# Altium PCB ALCT_MEZ_LX100.PcbDoc (part 1 of 10)
Units mil, origin at the board's own origin, x right, y up, seen from the top; angles counter-clockwise.
Board outline 4100 x 5874.84 mil, 12 copper layers (Top Layer, GND, Mid-Layer 2, +3V3, Mid-Layer 4, +1V2, Mid-Layer 6, +1V8, Mid-Layer 8, +2V5, Mid-Layer 10, Bottom Layer), stack 64.7 mil thick; 544 components, 646 nets, 3089 pads, 1750 vias.
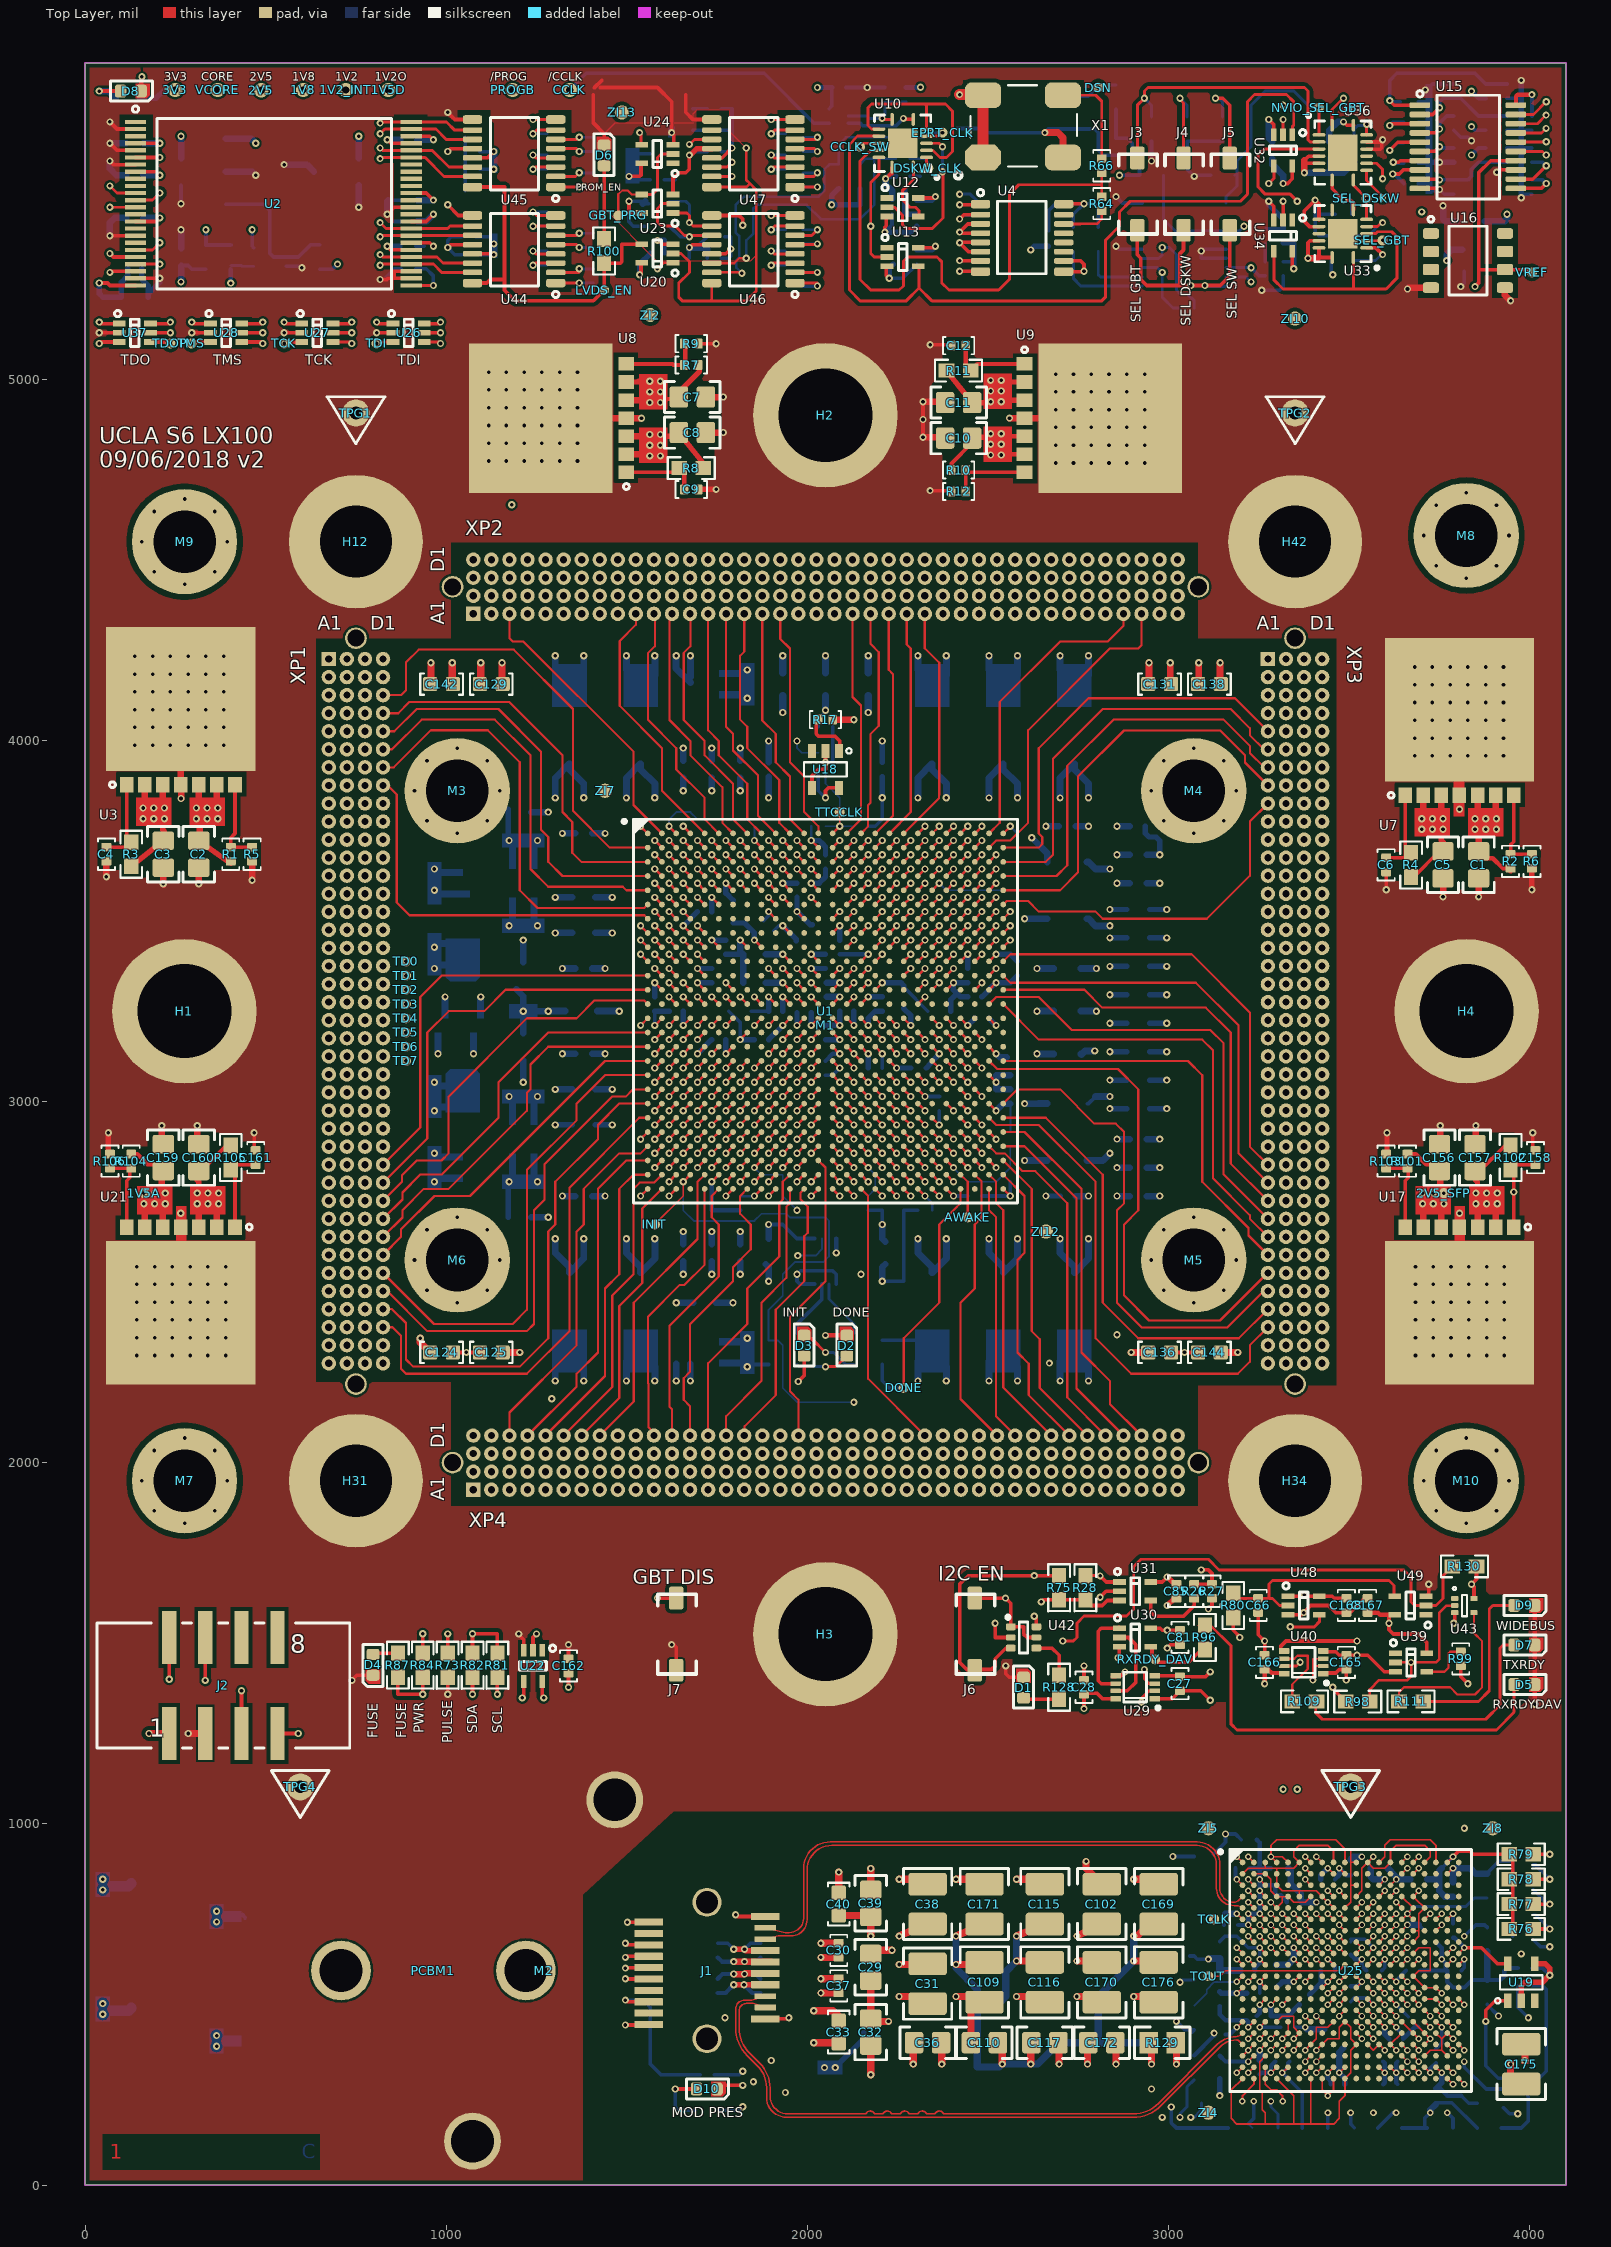
[diagram p0: Top Layer view]
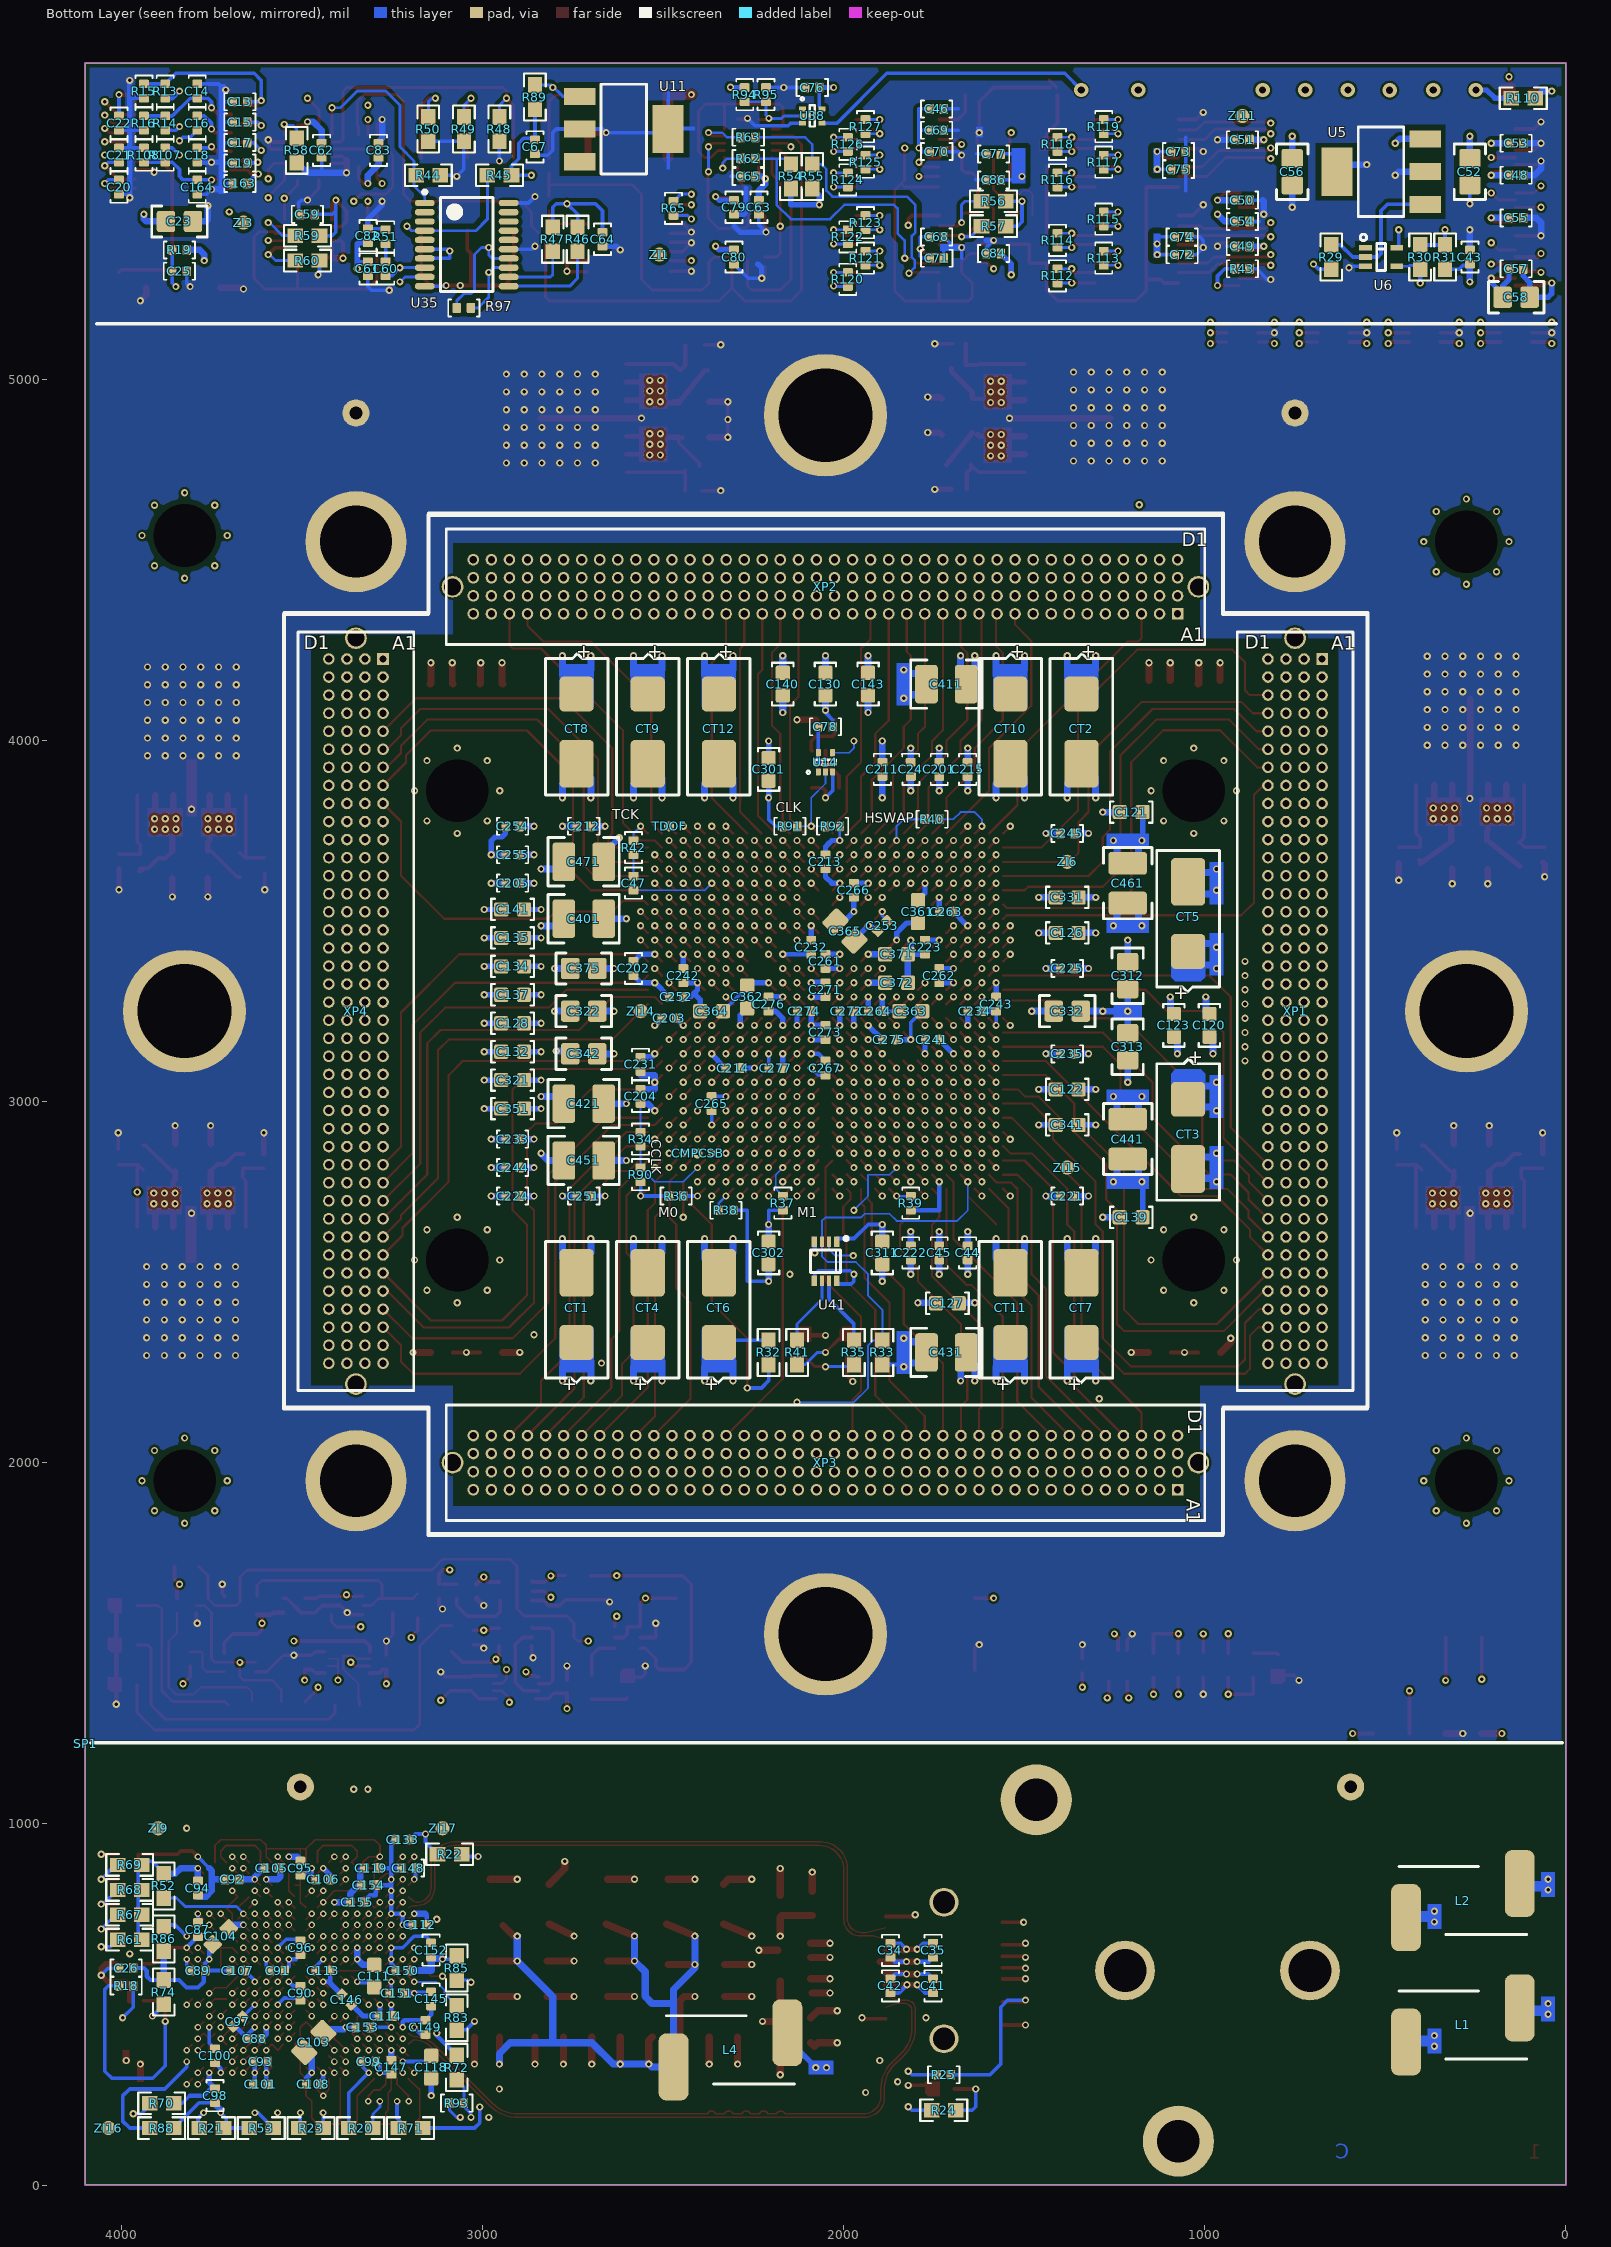
[diagram p1: Bottom Layer view, seen from below]
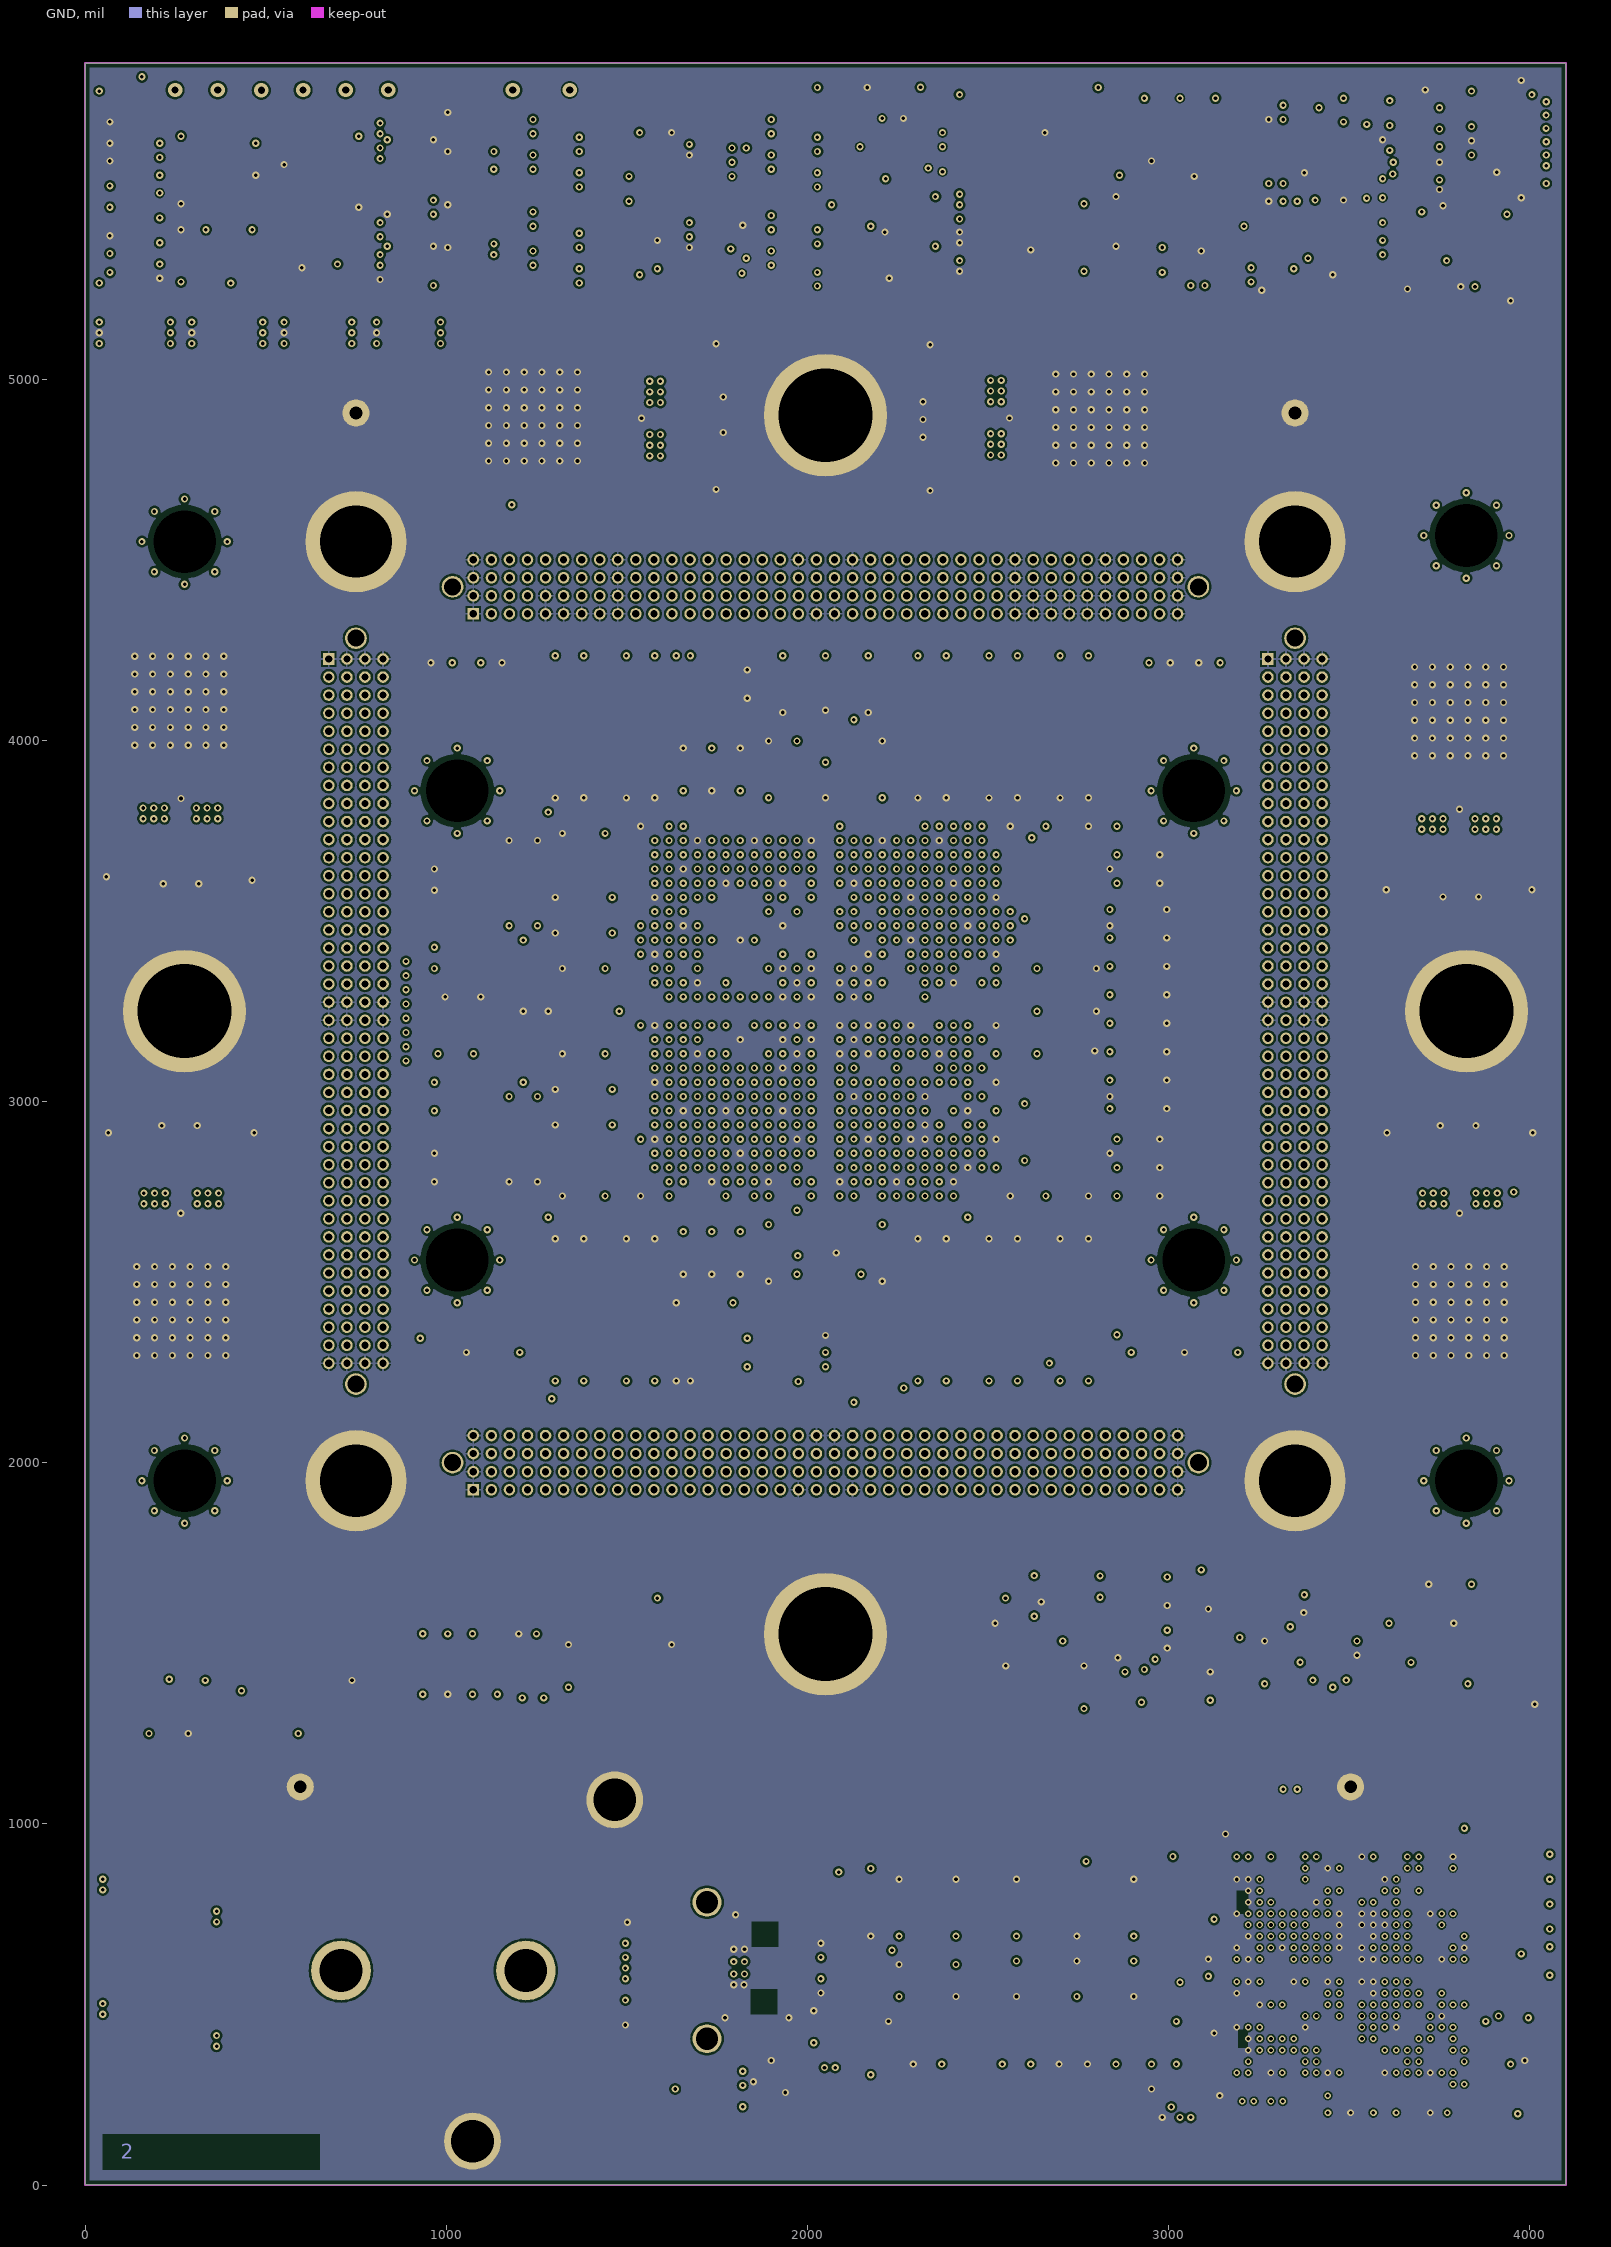
[diagram p2: GND]
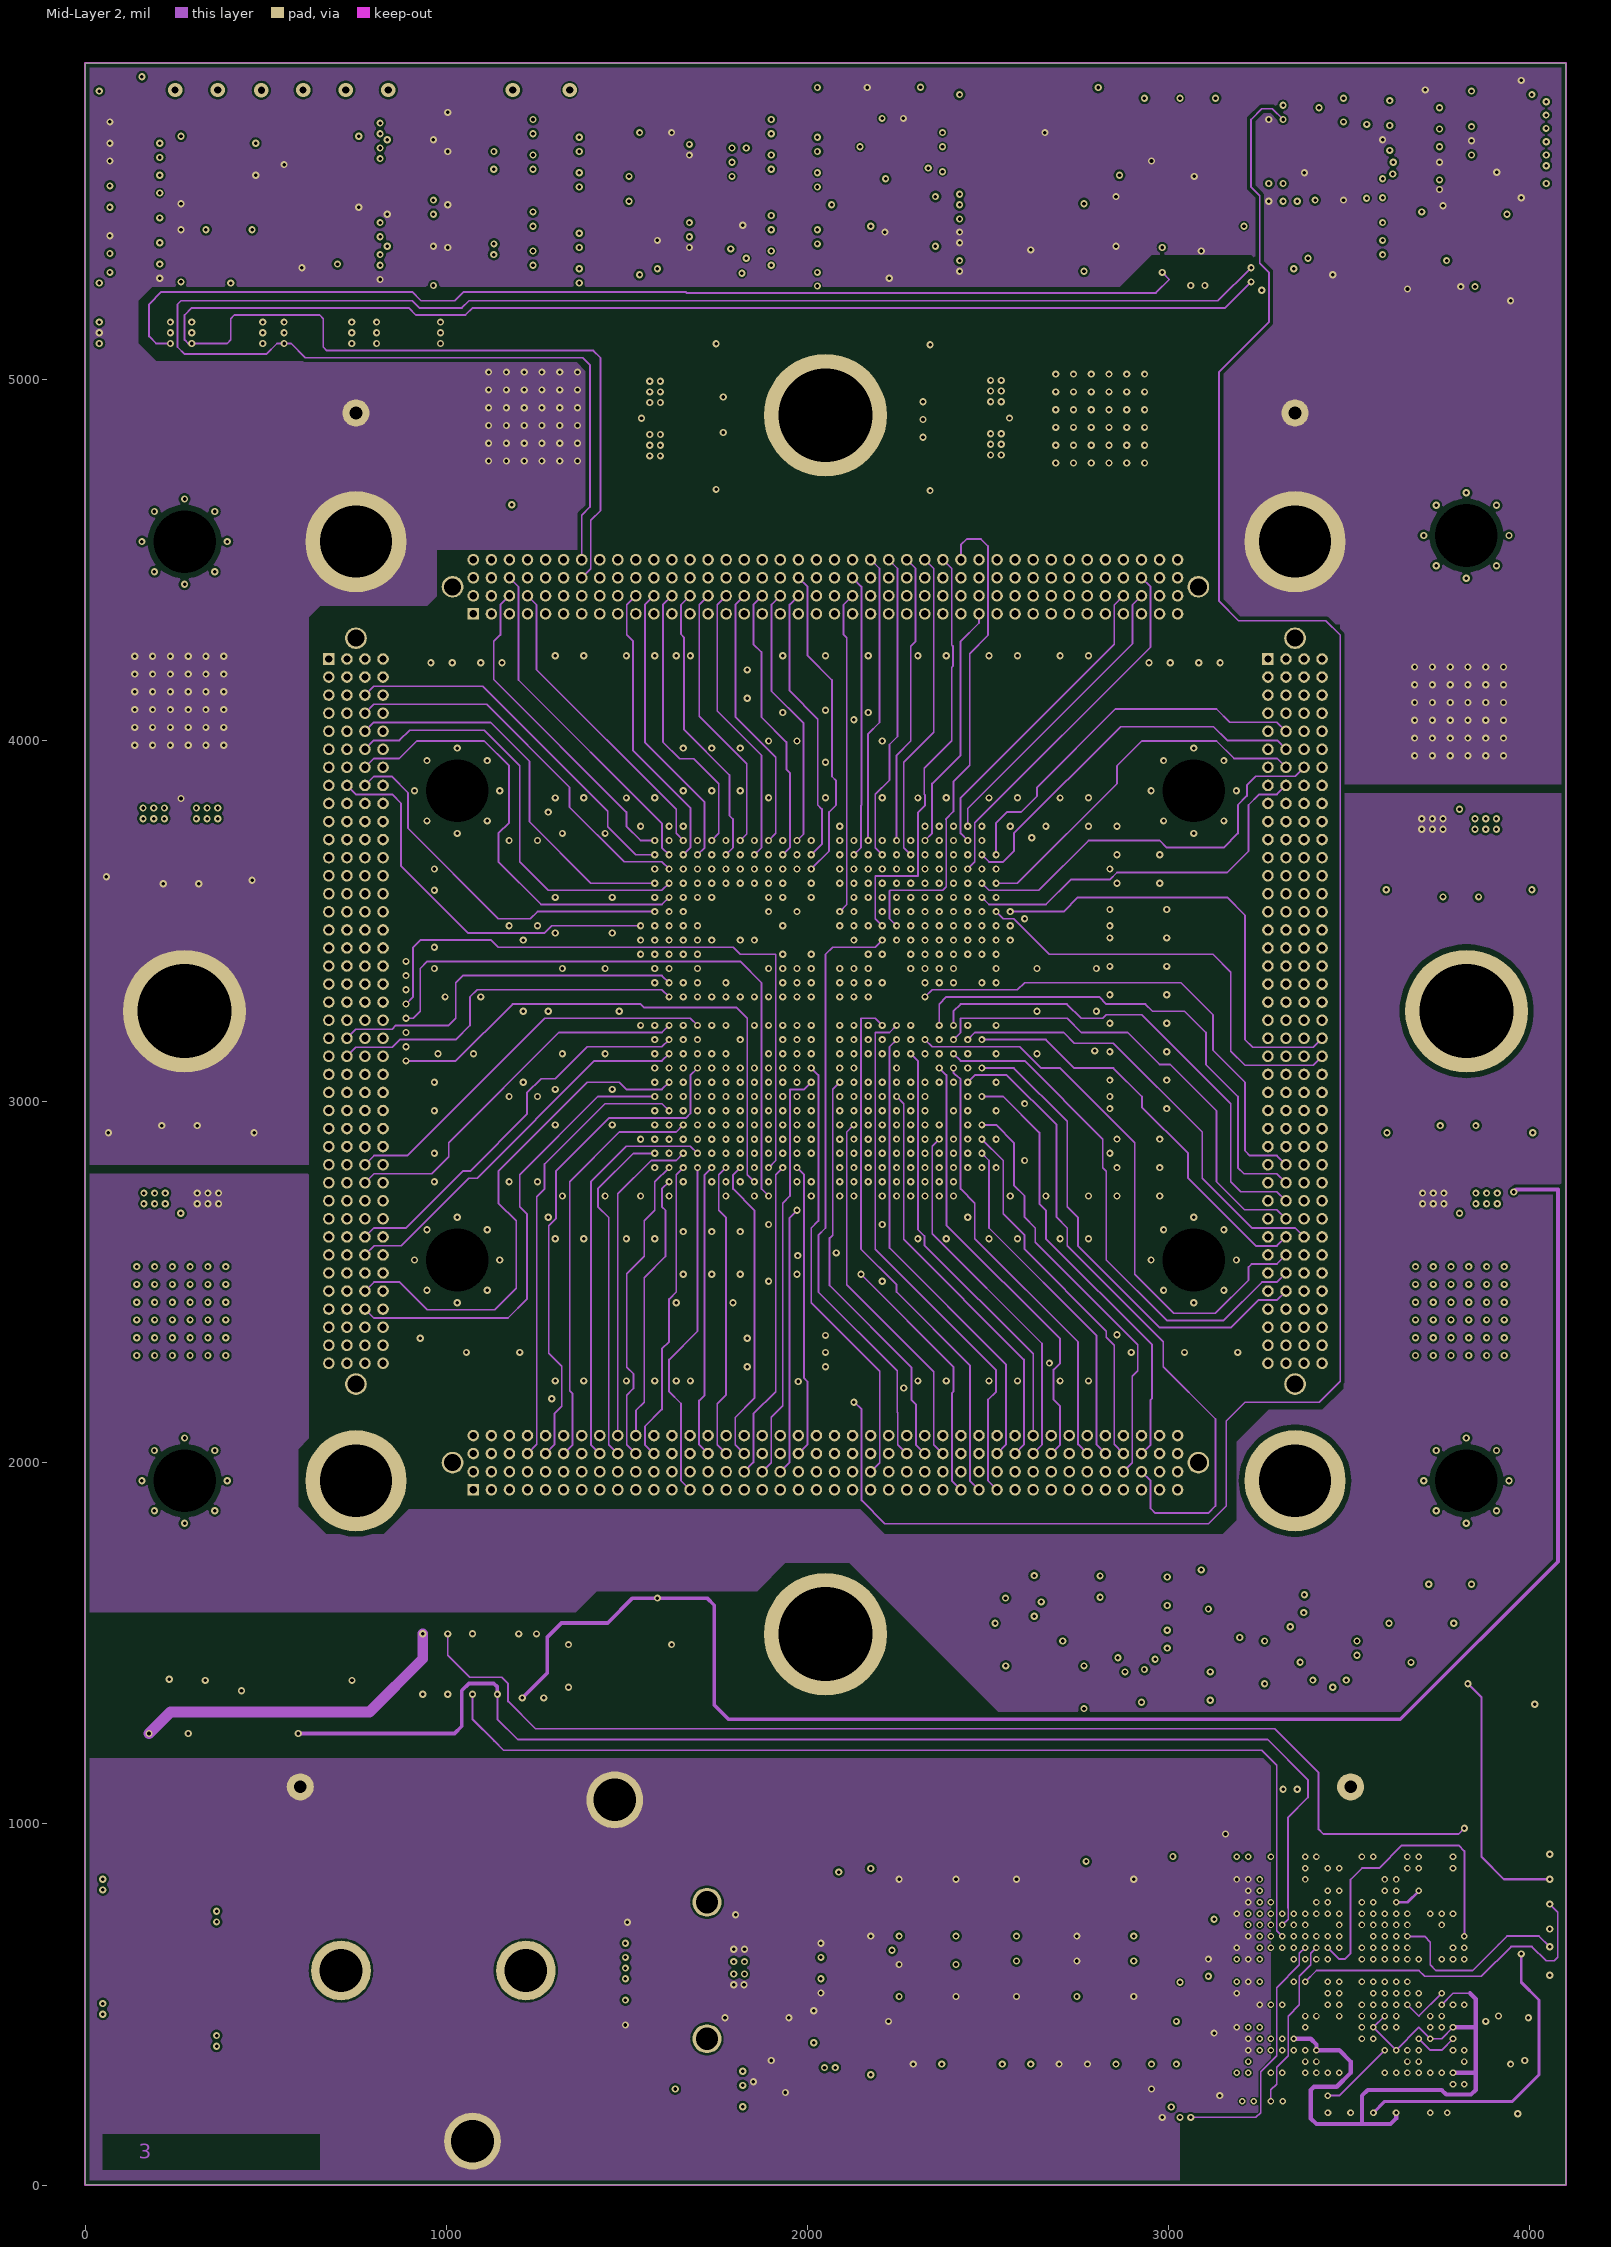
[diagram p3: Mid-Layer 2]